# Altium PCB Copy of main_1301.PcbDoc (continued)
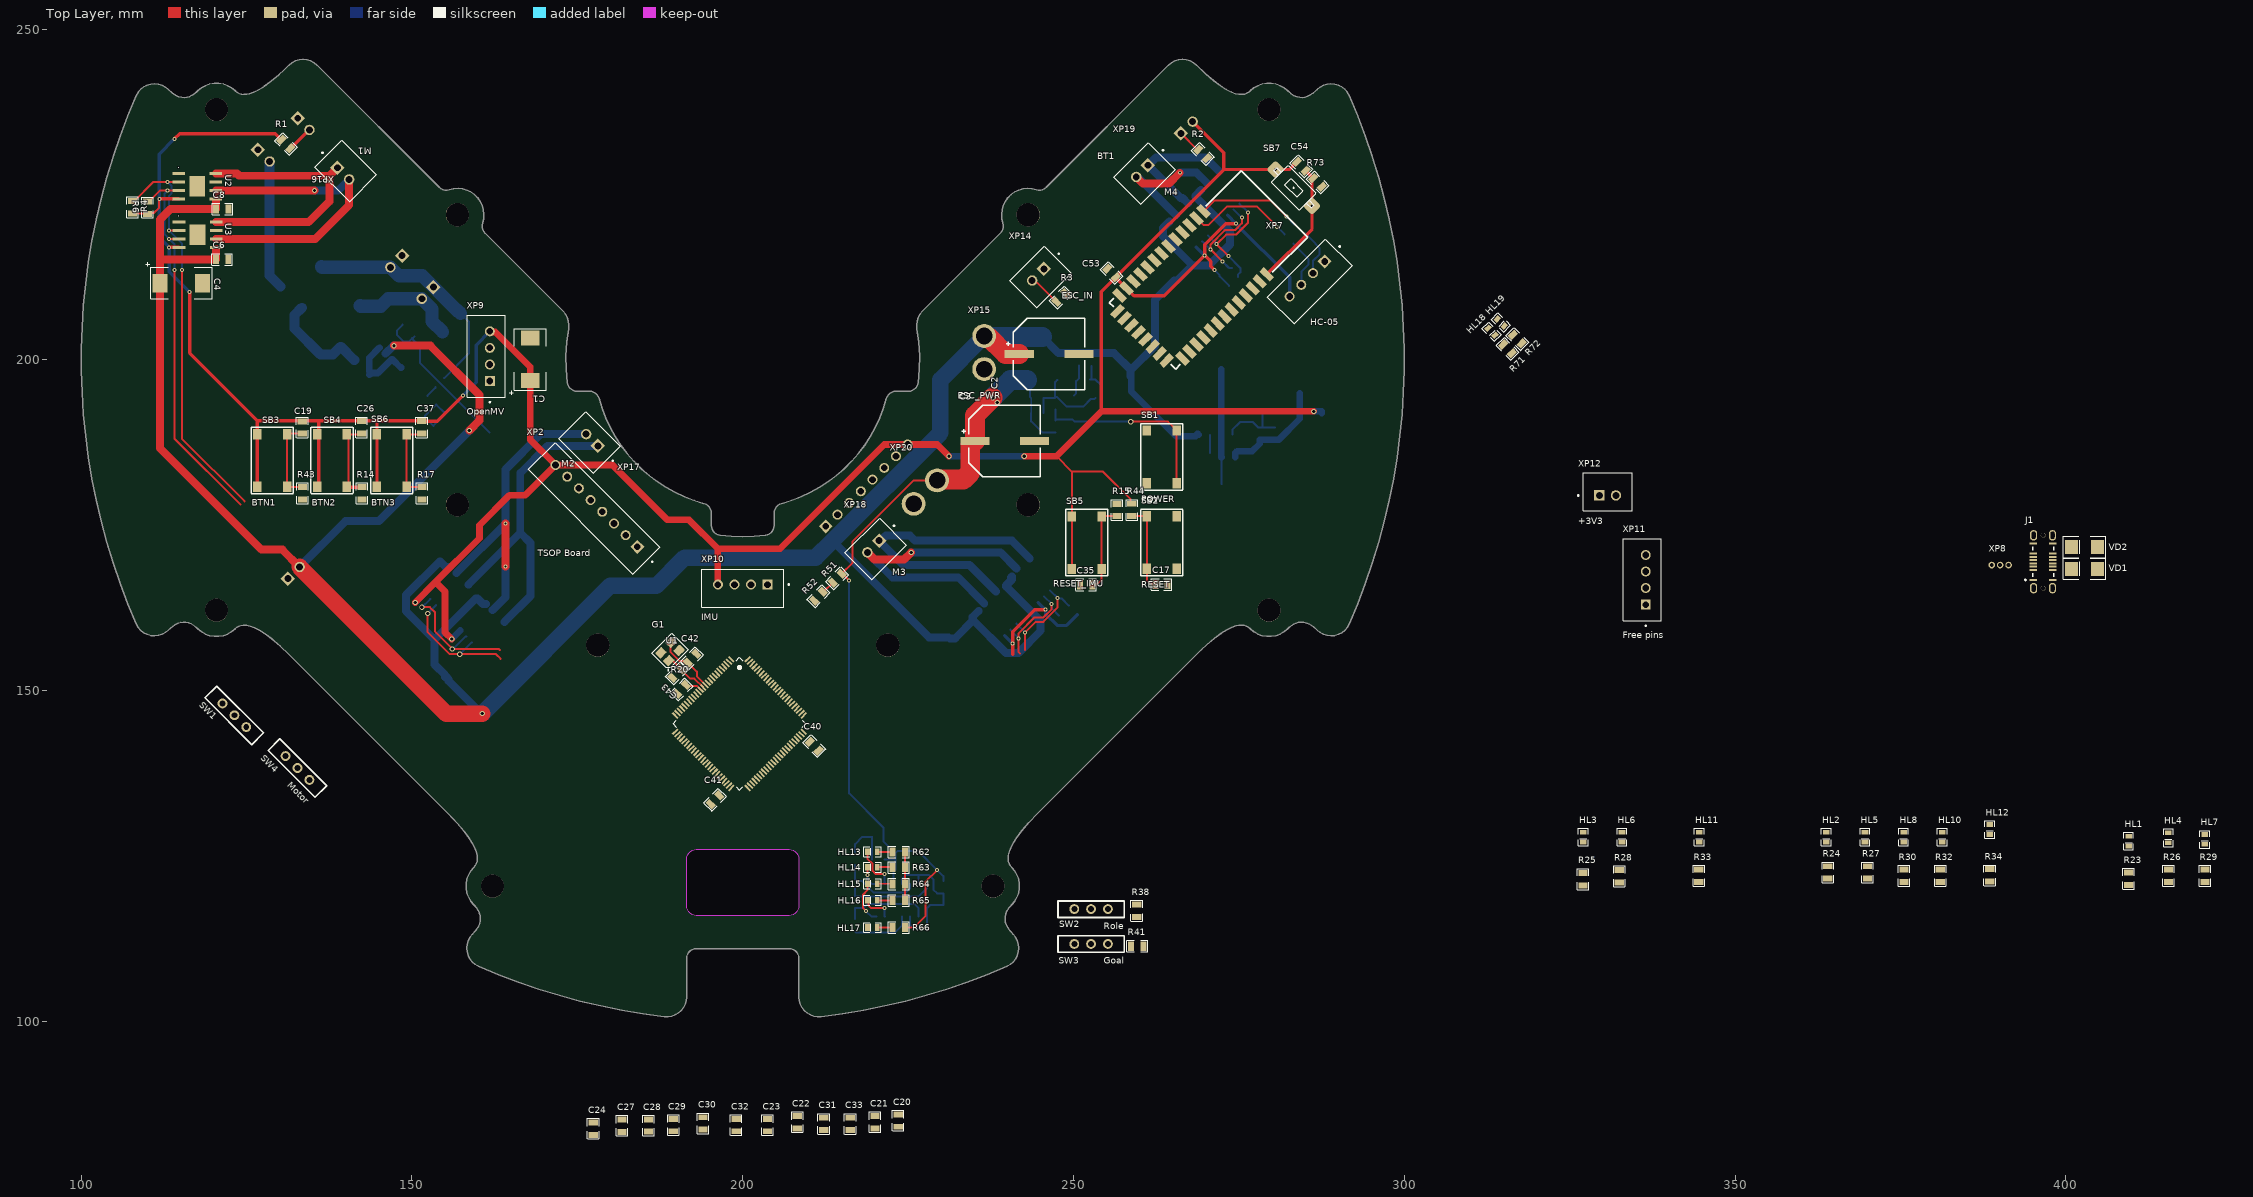
[diagram p0: Top Layer view]
## Footprints (in the part's own frame and the unit in brackets; to place one, negate y for a bottom-side part, rotate by r counter-clockwise, add the part's x,y. Pads: shape width x height; smd on the part's side, far side on the other; paste and mask are expansions set on the pad) (continued)
  rect 0.3x1.2 smd: 26(-6,-7.75) 27(-5.5,-7.75) 28(-5,-7.75) 29(-4.5,-7.75) 30(-4,-7.75) 31(-3.5,-7.75) 32(-3,-7.75) 33(-2.5,-7.75) 34(-2,-7.75) 35(-1.5,-7.75) 36(-1,-7.75) 37(-0.5,-7.75) 38(0,-7.75) 39(0.5,-7.75) 40(1,-7.75) 41(1.5,-7.75) 42(2,-7.75) 43(2.5,-7.75) 44(3,-7.75) 45(3.5,-7.75) 46(4,-7.75) 47(4.5,-7.75) 48(5,-7.75) 49(5.5,-7.75) 50(6,-7.75) 76(6,7.75) 77(5.5,7.75) 78(5,7.75) 79(4.5,7.75) 80(4,7.75) 81(3.5,7.75) 82(3,7.75) 83(2.5,7.75) 84(2,7.75) 85(1.5,7.75) 86(1,7.75) 87(0.5,7.75) 88(0,7.75) 89(-0.5,7.75) 90(-1,7.75) 91(-1.5,7.75) 92(-2,7.75) 93(-2.5,7.75) 94(-3,7.75) 95(-3.5,7.75) 96(-4,7.75) 97(-4.5,7.75) 98(-5,7.75) 99(-5.5,7.75) 100(-6,7.75)
  silkscreen extent -7.1,-7.1 7.1,7.1, body extent -8.03,-8 7.97,8, height 1.6
"PTS636 SP43 LFS" [mm]
  rrect50% 2x2 hole 0.5: 1(-3.9,0) 2(3.9,0)
  silkscreen extent -4,-1.8 4,1.8
RES0805 [mm] "SMD resistor 0805"
  rect 0.9x1.397 smd: 1(-0.938,-0.02) 2(0.942,-0.02)
  silkscreen extent -1.58,-0.9 1.58,0.85, body extent -1,-0.63 1,0.62, height 0.5
RES1206 [mm] "SMD resistor 1206"
  rect 1x1.77 smd: 1(-1.6,0) 2(1.6,0)
  silkscreen extent -2.28,-1.08 2.28,1.08, body extent -1.6,-0.8 1.6,0.8, height 0.55
SOD-80 [mm]
  rect 1.11x1.73 smd: A(1.67,0.022) K(-1.74,0.022)
  silkscreen extent -2.8,-1.09 2.47,1.14, body extent -1.79,-0.78 1.71,0.82, height 1.6
SOIC-8 [mm] "SOIC-8"
  rrect25% 1.97x0.6 smd: 1(-2.498,1.907) 2(-2.498,0.637) 3(-2.498,-0.633) 4(-2.498,-1.903) 5(2.442,-1.903) 6(2.442,-0.633) 7(2.442,0.637) 8(2.442,1.907)
  silkscreen extent -2.3,-2.7 2.3,3.3, body extent -2.95,-2.45 2.95,2.45, height 1.5
SOIC-14 [mm] "SOIC-14"
  rrect50% 1.97x0.6 smd: 1(-2.441,3.804) 2(-2.441,2.534) 3(-2.441,1.264) 4(-2.441,-0.006) 5(-2.441,-1.276) 6(-2.441,-2.546) 7(-2.441,-3.816) 8(2.509,-3.816) 9(2.509,-2.546) 10(2.509,-1.276) 11(2.509,-0.006) 12(2.509,1.264) 13(2.509,2.534) 14(2.509,3.804)
  silkscreen extent -2.2,-4.57 2.3,5.1, body extent -2.97,-4.33 3.03,4.32, height 1.75
SOT-23-3 [mm]
  rect 0.8x0.8 smd: D(0.967,0.043)
  rect 0.9x0.8 smd: G(-1.033,0.993) S(-1.033,-0.907)
  silkscreen extent -1.68,-1.51 1.57,2.14, body extent -1.18,-1.46 1.12,1.54, height 1.1
TO263-5L [mm] "XL4015"
  rect 1.05x2.5 smd: 1(-3.199,-6.264) 2(-1.499,-6.264) 3(0.201,-6.264) 4(1.901,-6.264) 5(3.601,-6.264)
  rect 10.9x9.1 smd: 3(0.201,3.636)
  body extent -4.88,-6.92 5.28,7.74, height 4.83
TSX-3225 [mm]
  round 0.508 on Mech15: 0(0,0)
  rrect25% 1.4x1.2 smd: 1(-1.1,-0.85) 2(1.1,-0.85) 3(1.1,0.85) 4(-1.1,0.85)
  silkscreen extent -2.26,-1.88 2.16,1.78, body extent -1.65,-1.3 1.65,1.3, height 0.8
USB-C [mm] "USB4145-04-0070-C"
  rect 0.3x1.15 smd: A1(-2.77,1.46) A4(-1.27,1.46) A5(-0.77,1.46) A6(-0.27,1.46) A7(0.23,1.46) A8(0.73,1.46) A9(1.23,1.46) A12(2.73,1.46) B1(2.73,-1.51) B4(1.23,-1.51) B5(0.73,-1.51) B6(0.23,-1.51) B7(-0.27,-1.51) B8(-0.77,-1.51) B9(-1.27,-1.51) B12(-2.77,-1.51)
  oval 1.6x1.1 hole 0.6 slot 1.1 at 0 deg: S1(-4.02,1.405) S2(3.98,1.405) S3(-4.02,-1.455) S4(3.98,-1.455)
  round 0.71 hole 0.71 unplated: ""(-4.02,-0.025) ""(3.98,-0.025)
  silkscreen extent -2.87,-1.61 2.26,2.73, body extent -4.5,-1.87 4.45,1.82, height 7.46
VLS3012HBX [mm]
  rrect50% 1x3.4 smd: 1(-1.05,0)
  rrect70% 1x3.4 smd: 2(1.05,0)
  silkscreen extent -1.72,-1.85 1.73,1.88, body extent -1.5,-1.52 1.47,1.52, height 1.2
XT30_3D [mm]
  round 3.6 hole 2.5 paste+6: 1(-2.5,0) 2(2.5,0)
  body extent -5.23,-2.58 5.23,2.67, height 13

## Part data
BT1: "Bluetooth HC-05", ComponentLink1Description=Chipdip, ComponentLink1URL=https://www.chipdip.ru/product0/8020390968
C1 C4 C5 C10 C11: library part "CAP Tantal", "Tantal SMD Cap"
C2 C36: library part "Cap Aluminum", "25V", ComponentLink1Description=Chipdip
  C2: ComponentLink1URL=https://www.chipdip.ru/product0/9000565743
  C36: ComponentLink1URL=https://www.chipdip.ru/product0/9000565748
C3: library part "Cap Aluminum", ComponentLink1Description=Chipdip, ComponentLink1URL=https://www.chipdip.ru/product0/9000565743
C6 C7 C8 C9 C12 C13 C14 C15 C17 C18 C19 C20 C21 C22 C23 C24 C25 C26 C27 C28 C29 C30 C31 C32 C33 C34 C35 C37 C38 C40 C41 C42 C43 C44 C45 C46 C52 C53 C54: library part "CAP Ceramic", "Ceramic SMD Cap"
C16: library part "Cap Aluminum", "50V", ComponentLink1Description=Chipdip, ComponentLink1URL=https://www.chipdip.ru/product0/9000565743
D1 D2: library part "Diode Zener", "Zener Diode / BZV55C8V2"
DA1: "Buck converter"
G1: library part "TSX-3225 24.0000MF15X-AC6", "24MHz ±10ppm Crystal 9pF 40 Ohms 4-SMD, No Lead", Digi-Key Part Number=SER4180CT-ND, HelpURL=https://www.digikey.com/en/products/detail/epson/TSX-3225-24-0000MF15X-AC6/5261221, Manufacturer Part Number="TSX-3225 24.0000MF15X-AC6", Part Number="TSX-3225 24.0000MF15X-AC6", Price$=0.33
HL1 HL2 HL3 HL4 HL5 HL6 HL7 HL8 HL10 HL11 HL12 HL13 HL14 HL15 HL16 HL17 HL18 HL19: library part LED, "LED smd"
J1: library part USB-C, "USB4145-04-0070-C"
L1: library part Inductor, "5A"
R1 R2 R3 R4 R5 R6 R7 R8 R9 R10 R11 R12 R13 R14 R15 R16 R17 R18 R19 R20 R21 R22 R23 R24 R25 R26 R27 R28 R29 R30 R32 R33 R34 R35 R36 R37 R38 R39 R40 R41 R42 R43 R44 R48 R49 R50 R51 R52 R53 R54 R55 R56 R57 R58 R59 R60 R61 R62 R63 R64 R65 R66 R67 R68 R69 R70 R71 R72 R73: library part RES, "RES smd"
SB1 SB2 SB3 SB4 SB5 SB6: library part Button
SB7: "TACT 6.0 X 3.5, 4.3 MM H, 320GF,", Digi-Key Part Number=CKN12304-ND, HelpURL=https://www.digikey.com/product-detail/en/c-k/PTS636-SP43-LFS/CKN12304-ND/10071717, Manufacturer Part Number="PTS636 SP43 LFS", Part Number="PTS636 SP43 LFS", Price$=0.1
SW1: "2 pos switch", ComponentLink1Description=Chipdip, ComponentLink1URL=https://www.chipdip.ru/product0/8007034319
SW2 SW3 SW4: library part ESP1010, "2 pos switch", ComponentLink1Description=Chipdip, ComponentLink1URL=https://www.chipdip.ru/product0/8007034319
U1: "ARM Cortex-M4 32-bit MCU+FPU, 210 DMIPS, 1024 kB Flash, 192 kB Internal RAM, 82 I/Os, 100-pin LQFP, -40 to 85 degC, Tray", I/Os (High Current)=82, Manufacturer=STMicroelectronics, Operating Frequency(F) (Processor speed) (MHz)=168, Supplier Part Number 1=497-11605-ND, Supply Voltage(Vcc) max (V)=3.6, Supply Voltage(Vcc) min (V)=1.8, ComponentLink1Description="Manufacturer URL", ComponentLink1URL=http://www.st.com/web/en/home.html, ComponentLink2Description=Datasheet, ComponentLink2URL=http://www.st.com/st-web-ui/static/active/en/resource/technical/document/datasheet/DM00037051.pdf, ComponentLink3Description="Package Specification", ComponentLink3URL=http://www.st.com/st-web-ui/static/active/en/resource/technical/document/data_brief/DM00071938.pdf, Core="ARM Cortex-M4", D/A Converter=2x12-bit, DatasheetVersion="Rev. 4", FLASH Size (Prog) (kB)=1024, Internal RAM Size (kB)=192, Mounting Technology="Surface Mount", PackageDescription="100-Pin Low Profile Quad Flat Package, 14 x 14 mm Body, 0.5 mm Pitch", PackageReference=LQFP100, PackageVersion="Rev. 1, 06/2013", Packing=Tray, PartNumber=STM32F407VGT6, Supplier 1=Digi-Key, Supplier 2=Farnell, Supplier 3=Newark, Supplier 4=Mouser, Supplier Part Number 2=2064368, Supplier Part Number 3=73T2333, Supplier Part Number 4=511-STM32F407VGT6
U2 U3 U4 U5 U6 U7 U8 U9: "DC motor driver 3.6A"
U10: library part LM139DR, "Quad differential comparator", ComponentLink1Description=Chipdip, ComponentLink1URL=https://www.chipdip.ru/product0/8013766664
VD1 VD2: "Protective diode"
VT1: "Mosfet driver"
VT2: "N-MOSFET / Uds = 60 V / Ids = 30 A / Rds = 0.023 Ohm / P = 55 W", ComponentLink1Description=Chipdip, ComponentLink1URL=https://www.chipdip.ru/product/std30nf06l-umw
VT3: "P-MOSFET / Uds = 60 V / Ids = 13 A / Rds = 0.100 Ohm / P = 60 W", ComponentLink1Description=Chipdip, ComponentLink1URL=https://www.chipdip.ru/product/tpstd10p6f6
VT4: "N-MOSFET / Uds = 20 V / Ids = 4.2 A / Rds = 0.035 Ohm / P = 8 W", ComponentLink1Description=Chipdip, ComponentLink1URL=https://www.chipdip.ru/product/irlml2502-umw
VT5: "P-MOSFET / Uds = 40 V / Ids = 40 A / Rds = 0.012 Ohm / P = 3.0 W", ComponentLink1Description=Chipdip, ComponentLink1URL=https://www.chipdip.ru/product/fdd6637-vbsemi
XP1 XP2: library part JST-XH-8, "JST_B8B-XH-A(LF)(SN)"
XP3 XP4 XP5 XP6 XP12 XP14 XP16 XP17 XP18 XP19 XP21 XP22: library part JST-XH-2, "JST_B2B-XH-A(LF)(SN)"
XP7 XP9 XP10 XP11: library part JST_XH-4, "JST_B4B-XH-A(LF)(SN)"
XP8: library part "Header 3"
XP15 XP20: library part "Power connectors"

## Free pads (board coordinates)
  round 3.5 hole 3.5: 1(120.45,162.17) 1(120.45,237.83) 1(156.866,178.08) 1(156.866,221.92) 1(162.17,120.45) 1(221.92,156.866) 1(237.83,120.45) 1(243.133,178.08) 1(243.133,221.92) 1(279.549,162.17) 1(279.549,237.83) 2(178.08,156.866)

## Via types
v1: diameter 0.6, hole 0.3, Top Layer to Bottom Layer, 37 vias
v2: diameter 0.8, hole 0.5, Top Layer to Bottom Layer, 18 vias

## Nets (pads, with @x,y where several pads share a name; then routed paths per layer and width w, separated by ;. In a path a pad name is that pad's centre, name@x,y a point inside that pad or via, vN(x,y) a via of type N, cw(c..) or ccw(c..) an arc to the next point about the centre after c; other vN are vias at no path point)
+3V3: BT1.12 C1.2 C19.1 C20.1 C21.1 C22.1 C23.1 C24.1 C26.1 C27.1 C28.1 C29.1 C30.1 C31.2 C32.1 C33.2 C35.1 C37.1 C53.2 C54.1 HL11.2 R1.2 R4.2 R5.2 R6.2 R7.2 R8.2 R9.2 R10.2 R11.2 R16.2 R20.1 R44.2 R62.2 R63.2 R64.2 R65.2 SB3.1 SB3.2 SB4.1 SB4.2 SB5.1 SB5.2 SB6.1 SB6.2 SB7.2 SW1.1 SW2.1 SW3.1 SW4.1 U1.6 U1.11 U1.19 U1.21 U1.22 U1.28 U1.50 U1.75 U1.100 U2.4 U3.4 U4.4 U5.4 U6.4 U7.4 U8.4 U9.4 XP1.8 XP2.8 XP5.2 XP7.4 XP9.4 XP10.4 XP12.2 | length 527.3
  Top Layer w0.3: R4.2 107.76,222.093 109.998,222.093 R6.2 110.14,222.192 110.992,222.192 111.781,222.981 111.781,224.281 v1(111.8,224.3) 111.827,224.3 v1@111.864,224.337 ; R65.2 R64.2 R63.2 R62.2 ; 247.431,185.431 249.75,183.113 ; SB5.1 SB5.2 249.75,183.113 ; R44.2 258.605,178.457 258.605,178.966 254.459,183.113 249.75,183.113
  Top Layer w0.5: v1@111.864,224.337 U2.4 ; v1(113.3,216.996) U3.4 ; v1(114.1,233.4) 114.893,234.193 129.364,234.193 R1.2 ; v1(116.4,210.222) 116.4,201.019 126.619,190.8 ; SB3.1 SB3.2 126.619,190.8 ; SB4.1@135.9,180.8 135.9,190.8 ; SB6.1 SB6.2 144.7,190.8 ; C37.1 153.829,190.729 v1(157.7,194.6) ; C37.1@151.488,190.8 144.7,190.8 ; 240.8,155.5 v1(240.8,157.1) 240.8,158.9 244.124,162.224 v1(245.776,162.224) ; 254.2,192.2 254.2,210.27 C53.2 ; XP5.2 272.688,231.33 272.688,228.758 ; v1(271.281,213.589) 270.728,214.141 270.728,214.866 v1(269.813,215.781) ; v1(274.546,220.577) 273.01,220.577 269.832,217.399 269.832,215.801 v1(269.813,215.781) ; C54.1 282.609,228.758 SB7.2 272.688,228.758 ; 126.619,190.8 135.9,190.8 ; 135.9,190.8 144.7,190.8 ; C53.2 272.688,228.758 ; C53.2 256.415,212.435 258,210.85 BT1.12 259.131,209.669 263.7,209.669 v1(269.813,215.781)
  Top Layer w1: v2(150.493,163.322) 153.576,166.405 ; v2(156.006,157.783) 155,158.789 155,164.981 153.576,166.405 ; XP9.4 161.868,204.203 162.597,204.203 167.861,198.939 167.861,196.874 167.861,187.939 171.445,184.355 XP2.8 ; XP10.4@196.242,166.033 196.242,171.444 ; v2(231.168,185.431) 229.4,187.199 XP1.8 221.399,187.199 205.644,171.444 196.242,171.444 ; v2(242.556,185.431) 247.431,185.431 254.2,192.2 v2(286.3,192.2) ; 153.576,166.405 160.2,173.029 160.2,175 164.754,179.554 167.147,179.554 XP2.8 ; XP2.8 180.315,184.103 188.62,175.798 191.889,175.798 196.242,171.444
  Bottom Layer w0.3: U8.4 U8.4@268.562,217.011 ; v1@269.791,215.781 v1(269.813,215.781) ; v1(271.281,213.589) 272.103,212.766 R11.2 273.514,211.213 R9.2
  Bottom Layer w0.5: v1@113.3,216.969 113.3,213.322 v1(116.4,210.222) ; v1(113.3,216.996) 111.8,218.496 v1(111.8,224.3) 111.8,231.1 v1(114.1,233.4) ; v1(157.7,194.6) 159.699,196.599 159.699,202.228 XP9.4 ; U6.4 239.576,158.314 240.791,157.1 v1(240.8,157.1) ; U7.4 244.671,163.311 245.758,162.224 v1(245.776,162.224) 245.795,162.205 245.795,161.565 247.513,159.847 248.944,159.847 R10.2 R10.2 R8.2 R8.2 ; U8.4@268.562,217.011 v1@269.791,215.781 ; U9.4 273.278,221.835 274.536,220.577 v1(274.546,220.577) 282.664,212.459 XP7.4
  Bottom Layer w1: v2(150.493,163.322) U4.4@151.867,164.697 ; v2(156.006,157.783) 157.309,159.086 U5.4 ; v2(231.168,185.431) v2(242.556,185.431) ; v2(286.3,192.2) 287.5,192.2 R16.2
+12V: C2.1 C4.2 C5.2 C6.2 C7.2 C8.2 C9.2 C10.2 C11.2 C12.2 C13.2 C14.2 C15.2 C16.1 C18.2 C25.2 C46.2 DA1.5 HL6.2 R40.2 U2.5 U3.5 U4.5 U5.5 U6.5 U7.5 U8.5 U9.5 VT1.6 VT5.D XP15.2 XP21.2 | length 473.2
  Top Layer w1.2: 120.378,216.771 120.378,215.197 C6.2 120.363,215.194 111.92,215.194 ; U2.5@120.378,224.243 120.378,222.814 C8.2 113.499,222.787 111.92,221.208 111.92,215.194 ; XP21.2 130.397,171.3 127.255,171.3 111.92,186.635 C4.2 111.92,215.194 ; v2(147.289,202.131) 152.769,202.131 160.2,194.7 160.2,190.847 v2(158.678,189.325)
  Top Layer w2.5: XP21.2 155.166,146.531 v2(160.636,146.531)
  Top Layer w3: XP15.2 236.615,203.485 237.115,203.485 239.7,200.9 C2.1
  Bottom Layer w0.3: C5.2 C5.2@155.223,152.044
  Bottom Layer w1: C16.1 258.7,197.42 258.7,195.26 265.506,188.454 C18.2 ; C18.2@267.081,188.454 DA1.5@268.439,188.454 ; DA1.5@268.747,188.839 DA1.5
  Bottom Layer w1.2: XP21.2 139.976,175.647 145,175.647 v2(158.678,189.325) ; VT1.6 147.188,202.131 v2(147.289,202.131) ; C5.2 155.018,152.344 153.419,153.943 153.419,157.684 ; C5.2@155.223,152.044 155.551,151.717 155.551,151.449 160.469,146.531 v2(160.636,146.531) ; U4.5@155.7,168.71 155.052,168.71 C7.2 149.1,164.429 149.1,162.003 153.419,157.684 ; U5.5@161.2,163.1 160.728,163.1 159.908,163.92 159.867,163.92 159.831,163.956 159.691,163.956 C9.2 153.419,157.684 ; 213.565,172.651 228.162,158.053 231.129,158.053 231.308,157.874 232.076,157.874 C10.2 234.777,160.575 C12.2@234.777,160.714 ; U6.5@235.671,162.062 234.754,161.145 234.754,160.95 234.718,160.913 234.718,160.774 C12.2 C12.2@234.777,160.714 ; U7.5 240.534,167.112 240.693,166.953 240.693,166.797 239.799,165.904 239.799,165.765 C14.2 245.038,160.526 245.038,159.06 241.678,155.7 239.792,155.7 C12.2@234.777,160.714 ; VT5.D 247.748,201.004 C46.2@252.755,201.004 ; C46.2@252.853,201.004 256.115,201.004 C16.1@258.6,198.52 ; C16.1 C16.1@258.6,198.52 ; C13.2 263.527,219.923 U8.5@264.512,220.908 ; C13.2@263.557,219.747 263.557,218.664 267.938,214.283 ; C15.2@268.405,224.784 U9.5@269.283,225.661 ; C15.2 268.442,224.658 273.653,219.446 273.653,217.446 270.49,214.283 267.938,214.283 ; C16.1@258.6,198.52 258.733,198.52 262.305,202.092 262.305,209.073 C11.2 265.685,212.03 267.938,214.283
  Bottom Layer w2.5: v2(160.636,146.531) 179.944,165.84 186.94,165.84 191.2,170.1 211.013,170.1 213.565,172.651 229.868,188.954 229.868,196.968 XP15.2
  Bottom Layer w3: XP15.2 236.662,203.6 236.794,203.469 VT5.D
+48V: HL3.2 VT3.S XP22.2 | length 19.5
  Bottom Layer w1.5: XP22.2 128.487,212.729 VT3.S
BALL_SEN: R2.2 U1.26 XP5.1 | length 3.6
  Top Layer w0.3: XP5.1 268.702,231.781 R2.2
BG_LED: HL2.2 U1.41
BT_RESET: BT1.34@279.213,212.921 C54.2 R73.2 SB7.1 U1.80 | length 19.1
  Top Layer w0.5: BT1.34@279.213,212.921 286.058,219.766 SB7.1 286.037,223.263 286.037,227.305 R73.2 286.203,227.481 285.087,228.597 C54.2
BT_RX: R67.2 R70.2 U1.78 XP7.3 | length 7.7
  Bottom Layer w0.3: R70.2 283.231,217.549 R67.2@284.869,215.91 ; XP7.3 284.432,213.304 285.547,214.419 285.547,215.232 R67.2@284.869,215.91 ; R67.2 R67.2@284.869,215.91
BT_TX: R68.2 R69.2 U1.79 XP7.2 | length 7.6
  Bottom Layer w0.3: R69.2 285.073,219.088 R68.2 286.566,217.517 287.215,216.868 287.215,215.969 286.2,214.954 XP7.2
BTN1: C19.2 R43.2 SB3.3 SB3.4 U1.82 | length 12.6
  Top Layer w0.3: C19.2 131.222,188.846 SB3.4 SB3.3 131.14,180.772 R43.2
BTN2: C26.2 R14.2 SB4.3 SB4.4 U1.83 | length 12.5
  Top Layer w0.3: SB4.4 SB4.4@140.4,188.743 ; SB4.3@140.4,180.8 SB4.4@140.4,188.743 ; SB4.4@140.4,188.75 SB4.4@140.4,188.743 ; C26.2 142.28,188.743 SB4.4@140.4,188.743
  Top Layer w0.5: SB4.3 140.198,180.754 R14.2
BTN3: C37.2 R17.2 SB6.3 SB6.4 U1.84 | length 12.6
  Top Layer w0.3: SB6.3 149.221,180.772 R17.2 ; SB6.3@149.2,180.8 SB6.4 151.362,188.743 C37.2
CAP: R48.2 VD5.K VT3.D XP4.2 XP6.1 | length 35.8
  Bottom Layer w0.3: R48.2 158.616,200.979 158.616,205.728 VD5.K
  Bottom Layer w2: VT3.D 136.414,213.995 146.72,213.995 148.019,212.696 151.554,212.696 156.833,207.417 156.927,207.417 VD5.K@157.342,207.003
CAP_ADC: R53.1
ESC_IN: R3.2 U1.25 XP14.2 | length 5
  Top Layer w0.3: XP14.2 244.09,211.987 244.447,211.63 244.538,211.63 R3.2
FP1: XP11.4
FP2: XP11.3
FP3: XP11.2
FP4: XP11.1
GK_LED: HL10.2 U1.39
GND: BT1.13 BT1.21 BT1.22 C1.1 C2.2 C3.2 C4.1 C5.1 C6.1 C7.1 C8.1 C9.1 C10.1 C11.1 C12.1 C13.1 C14.1 C15.1 C16.2 C17.1 C18.1 C20.2 C21.2 C22.2 C23.2 C24.2 C27.2 C28.2 C29.2 C30.2 C31.1 C32.2 C33.1 C34.1 C36.2 C40.1 C41.1 C42.2 C43.2 C52.1 C53.1 D1.A D2.A DA1.1 G1.2 G1.4 HL17.1 J1.A1 J1.A12 J1.B1 J1.B12 J1.S1 J1.S2 J1.S3 J1.S4 pad.2 R2.1 R3.1 R13.1 R14.1 R15.1 R17.1 R18.1 R19.1 R22.2 R23.1 R24.1 R25.1 R26.1 R27.1 R28.1 R29.1 R30.1 R32.1 R33.1 R34.1 R35.1 R38.1 R41.1 R42.1 R43.1 R50.1 R52.1 R59.1 R61.1 R67.1 R68.1 R71.1 R72.1 R73.1 SB1.1 SB1.2 SB2.1 SB2.2 SW1.3 SW2.3 SW3.3 SW4.3 U1.10 U1.20 U1.27 U1.74 U1.99 U2.1 U2.7 U2.9 U3.1 U3.7 U3.9 U4.1 U4.7 U4.9 U5.1 U5.7 U5.9 U6.1 U6.7 U6.9 U7.1 U7.7 U7.9 U8.1 U8.7 U8.9 U9.1 U9.7 U9.9 U10.12 VD1.A VD2.A VD3.A VT1.1 VT1.3 VT1.8 VT2.S VT4.S XP1.1 XP2.1 XP3.1 XP4.1 XP7.1 XP8.2 XP9.1 XP10.1 XP12.1 XP14.1 XP15.1 XP20.1 XP21.1 XP22.1
GOAL_SW: R41.2 SW3.2 U1.93
IMU_RX: U1.47 XP10.2
IMU_TX: U1.48 XP10.3
KICK_IN: R18.2 U1.24 VT1.2 VT1.4 | length 24.6
  Bottom Layer w0.3: VT1.2 148.601,205.283 147.754,204.436 147.754,203.745 148.748,202.751 149.494,202.751 150.027,203.283 VT1.4@150.137,203.283 ; VT1.4 VT1.4@150.137,203.283 ; 161.75,189 151.202,199.548 151.202,201.655 R18.2 150.137,203.071 VT1.4@150.137,203.283
LB_IN1: U1.33 XP1.2
LB_IN2: U1.34 XP1.3
LB_IN3: U1.63 XP1.4
LB_IN4: U1.64 XP1.5
LB_OUT1: U1.35 XP1.6
LB_OUT2: U1.36 XP1.7
LED1: HL1.2 U1.43
LED2: HL4.2 U1.44
LED3: HL7.2 U1.45
M1_IN1: R4.1 U1.4 U2.2 U3.2 | length 63.1
  Top Layer w0.3: R4.1 107.988,223.994 110.871,226.877 v1(113.063,226.877) U2.2 ; v1(113.3,219.515) 113.32,219.536 U3.2 ; v1(115.2,213.6) 115.2,188.1 124.7,178.6
  Bottom Layer w0.3: v1(113.063,226.877) 113.663,226.277 113.663,225.163 113.3,224.8 v1(113.3,219.515) 115.2,217.615 v1(115.2,213.6)
M1_IN2: R6.1 U1.5 U2.3 U3.3 | length 59.4
  Top Layer w0.3: R6.1 110.268,223.952 111.923,225.607 v1(113.063,225.607) U2.3 ; v1(113.3,218.266) U3.3 ; v1(114.1,213.6) 114.1,188.1 124.1,178.1
  Bottom Layer w0.3: v1(113.063,225.607) 112.6,225.144 112.6,218.966 v1(113.3,218.266) 114.1,217.466 v1(114.1,213.6)
M1_OUT1: U2.6 U3.6 XP16.2 | length 47
  Top Layer w1.2: U2.6 v2(135.271,225.607) ; U3.6 135.374,218.266 140.5,223.392 XP16.2
  Bottom Layer w1.2: v2(135.271,225.607) 138.838,225.607 XP16.2
M1_OUT2: U2.8 U3.8 XP16.1 | length 41.3
  Top Layer w1.2: U2.8 123.536,228.147 123.856,227.826 137.521,227.826 ; U3.8 134.374,220.806 137.521,223.953 137.521,227.826 ; XP16.1 137.521,227.826
M2_IN1: R5.1 U1.31 U4.2 U5.2 | length 20
  Top Layer w0.3: v2(152.38,161.644) 152.38,158.82 155.7,155.5 v2(157.2,155.5) 162.7,155.5 163.4,154.8
  Bottom Layer w0.3: v2(152.38,161.644) 152.38,161.653 U4.2 ; v2(157.2,155.5) 157.253,155.5 159.052,157.299 U5.2
M2_IN2: R7.1 U1.32 U4.3 U5.3 | length 20.9
  Top Layer w0.3: v2(151.5,162.6) 152.7,162.6 153.5,161.8 153.5,158.9 v2(156.1,156.3) 163.1,156.3 163.3,156.1
  Bottom Layer w0.3: v2(151.5,162.6) 151.515,162.6 152.75,163.835 U4.3 ; v2(156.1,156.3) 156.205,156.3 158.102,158.197 U5.3
M2_OUT1: U4.6 U5.6 XP17.2 | length 47
  Top Layer w1.2: v1(164.122,168.734) v1(164.122,175.264)
  Bottom Layer w1.2: U4.6 164.122,175.191 164.122,183.422 169.468,188.768 XP17.2 ; U5.6 164.122,164.112 v1(164.122,168.734)
M2_OUT2: U4.8 U5.8 XP17.1 | length 49.3
  Bottom Layer w1.2: U4.8 166.367,173.845 ; U5.8 167.9,164.298 167.9,172.312 166.367,173.845 ; XP17.1 170.5,187 166.367,182.867 166.367,173.845
M3_IN1: R8.1 U1.53 U6.2 U7.2 | length 16.2
  Top Layer w0.3: 242.7,156.1 v1(242.7,158.8) 244.3,160.4 245.436,160.4 247.6,162.564 v1(247.6,164)
  Bottom Layer w0.3: U6.2 241.376,160.111 242.687,158.8 v1(242.7,158.8) ; U7.2 246.471,165.107 247.578,164 v1(247.6,164) 247.657,163.943 248.182,163.943 R8.1
M3_IN2: R10.1 U1.54 U6.3 U7.3 | length 16
  Top Layer w0.3: 241.896,155.629 241.7,155.825 v1(241.7,157.9) 241.701,157.901 241.701,158.65 244.097,161.046 245.446,161.046 246.7,162.3 v1(246.7,163.1)
  Bottom Layer w0.3: U6.3 240.465,159.174 241.7,157.939 v1(241.7,157.9) ; U7.3 245.571,164.209 246.68,163.1 v1(246.7,163.1) 246.757,163.043 246.757,162.385 R10.1
M3_OUT1: U6.6 U7.6 XP18.2 | length 45.3
  Top Layer w1.2: XP18.2 219.932,169.8 224.371,169.8 v2(225.458,170.887)
  Bottom Layer w1.2: XP18.2 222.615,167.118 232.56,167.118 U6.6 ; v2(225.458,170.887) 238.986,170.887 U7.6@241.4,168.473
M3_OUT2: U6.8 U7.8 XP18.1 | length 45.4
  Bottom Layer w1.2: U6.8 234.27,169 224.268,169 XP18.1 220.878,172.655 221.665,173.443 225.257,173.443 226.045,172.655 240.697,172.655 U7.8
M4_IN1: R9.1 U1.61 U8.2 U9.2 | length 18
  Top Layer w0.3: v1(273.393,215.701) v1(271.613,217.481) 273.063,218.932 274.562,218.932 276.385,220.755 v1(276.385,222.285)
  Bottom Layer w0.3: U8.2 270.337,218.782 271.613,217.506 v1(271.613,217.481) ; v1(273.393,215.701) 275.212,213.882 275.212,213.219 274.843,212.85 R9.1 ; U9.2 275.064,223.619 276.385,222.298 v1(276.385,222.285)
M4_IN2: R11.1 U1.62 U8.3 U9.3 | length 15.6
  Top Layer w0.3: v1(272.537,214.845) 272.537,214.851 270.713,216.676 v1(270.713,216.681) v1(270.713,216.681) 270.714,217.431 272.872,219.589 274.407,219.589 275.449,220.631 v1(275.449,221.484)
  Bottom Layer w0.3: U8.3 269.462,217.909 270.69,216.681 v1(270.713,216.681) ; v1(272.537,214.845) 273.43,213.953 R11.1 273.5,213.886 R11.1@273.924,213.886 ; U9.3 275.416,221.484 v1(275.449,221.484)
M4_OUT1: U8.6 U9.6 XP19.2 | length 20.9
  Top Layer w1.2: XP19.2 260.478,226.646 264.428,226.646 v1(266.061,228.279)
  Bottom Layer w1.2: XP19.2 259.553,227.57 259.778,227.57 U8.6 ; v1(266.061,228.279) 266.073,228.291 268.608,228.291 U9.6
M4_OUT2: U8.8 U9.8 XP19.1 | length 20.5
  Bottom Layer w1.2: U8.8 266.478,224.462 266.196,224.462 XP19.1 261.275,229.409 262.466,230.6 269.891,230.6 U9.8
MTR_ON: HL12.2 R42.2 SW4.2 U1.81
MV_RX: U1.86 XP9.3
MV_TX: U1.87 XP9.2
NetBT1_1: BT1.1 R69.1 | length 15.9
  Top Layer w0.3: BT1.1 271.253,224.053 279.809,224.053 v1(282.219,221.643)
  Bottom Layer w0.3: v1(282.219,221.643) 283.405,220.457 R69.1
NetBT1_2: BT1.2 R70.1 | length 16.7
  Top Layer w0.3: BT1.2 269.612,220.401 270.43,220.401 273.212,223.184 277.694,223.184 v1(280.787,220.091)
  Bottom Layer w0.3: v1(280.787,220.091) 281.901,218.976 R70.1
NetBT1_3: BT1.3
NetBT1_4: BT1.4
NetBT1_5: BT1.5
NetBT1_6: BT1.6
NetBT1_7: BT1.7
NetBT1_8: BT1.8
NetBT1_9: BT1.9
NetBT1_10: BT1.10
NetBT1_11: BT1.11
NetBT1_14: BT1.14
NetBT1_15: BT1.15
NetBT1_16: BT1.16
NetBT1_17: BT1.17
NetBT1_18: BT1.18
NetBT1_19: BT1.19
NetBT1_20: BT1.20
NetBT1_23: BT1.23
NetBT1_24: BT1.24
NetBT1_25: BT1.25
NetBT1_26: BT1.26
NetBT1_27: BT1.27
NetBT1_28: BT1.28
NetBT1_29: BT1.29
NetBT1_30: BT1.30
NetBT1_31: BT1.31 HL18.2
NetBT1_32: BT1.32 HL19.2
NetBT1_33: BT1.33@278.153,211.861
NetC25_1: C25.1 DA1.4 | length 2.8
  Bottom Layer w0.3: DA1.4 270.667,188.619 C25.1
NetC34_2: C34.2 C36.1 C38.2 L1.2 R12.2 R16.1 | length 16.7
  Bottom Layer w1: L1.2 274.477,185.944 274.727,186.194 277.031,186.194 278.147,187.309 C38.2 280.378,187.908 R12.2@280.449,187.908 ; R12.2 281.002,187.897 284.2,191.095 C36.1
NetC38_1: C38.1 DA1.2 R12.1 R13.2 | length 10.5
  Bottom Layer w0.3: DA1.2 274.014,189.397 275.218,190.6 277.066,190.6 277.898,189.768 C38.1@278.395,189.768 ; R13.2 278.6,191.84 278.6,189.973 C38.1@278.395,189.768 ; R12.1 280.452,189.768 C38.1@278.395,189.768
NetC40_2: C40.2 U1.73
NetC41_2: C41.2 U1.49
NetC42_1: C42.1 G1.3 U1.12 | length 9.2
  Top Layer w0.3: G1.3 189.105,157.209 189.105,155.816 190.434,154.487 191.005,154.487 191.258,154.233 C42.1 193.063,152.853 193.063,152.144 U1.12
NetC43_1: C43.1 G1.1 U1.13 | length 6.5
  Top Layer w0.3: G1.1 189.42,154.522 C43.1 ; C43.1@190.946,152.923 192.056,151.813 192.687,151.813 U1.13
NetC44_1: C44.1 C45.1 R37.2 VT4.D VT5.G | length 16
  Bottom Layer w0.3: R37.2@245.471,191.95 C45.1 ; C45.1@245.471,194.256 247.196,194.256 C44.1 ; VT4.D 253.153,194.077 252.619,194.077 251.478,192.936 248.945,192.936 247.535,194.346 C44.1 ; VT5.G@247.225,196.62 VT5.G ; VT5.G@247.225,196.62 VT5.G ; VT5.G@247.225,196.62 247.225,194.408 C44.1 ; VT5.G@247.225,196.62 VT5.G ; VT5.G@247.225,196.62 VT5.G ; VT5.G@247.225,196.62 VT5.G
NetC44_2: C44.2 R36.2 SB1.3 SB1.4 VD6.K | length 28.7
  Top Layer w0.3: v2(258.636,190.65) 264.25,190.65 264.975,189.925 265.1,189.925 265.6,189.425 SB1.4 SB1.3
  Bottom Layer w0.3: C44.2@247.272,192.486 R36.2 247.355,190.942 249.883,190.942 250.176,190.65 v2(258.636,190.65)
NetC46_1: C46.1 R39.2 VT4.G | length 8.1
  Bottom Layer w0.3: R39.2 R39.2@252.743,197.02 ; C46.1 252.749,199.09 252.749,197.026 R39.2@252.743,197.02 ; VT4.G 254.243,196.104 253.327,197.02 R39.2@252.743,197.02
NetD1_K: D1.K R49.1 R50.2 R53.2 | length 9
  Bottom Layer w0.3: D1.K D1.K@151.947,191.506 ; R53.2 R53.2@153.232,190.006 ; D1.K@151.947,191.506 151.947,191.253 151.992,191.253 153.232,190.014 R53.2@153.232,190.006 ; D1.K@151.947,191.506 R49.1 153.698,193.215 154.992,191.921 R50.2 R53.2@153.232,190.006
NetD2_K: D2.K R54.1 R55.2 | length 7.7
  Bottom Layer w0.3: R55.2 217.005,126.805 218.078,127.878 D2.K 219.562,127.876 R54.1
NetDA1_3: DA1.3 L1.1 VD3.K | length 17.4
  Bottom Layer w0.3: VD3.K L1.1
  Bottom Layer w1: DA1.3@272.314,198.572 272.314,188.672 272.314,185.306 L1.1
NetHL1_1: HL1.1 R23.2
NetHL2_1: HL2.1 R24.2
NetHL3_1: HL3.1 R25.2
NetHL4_1: HL4.1 R26.2
NetHL5_1: HL5.1 R27.2
NetHL6_1: HL6.1 R28.2
NetHL7_1: HL7.1 R29.2
NetHL8_1: HL8.1 R30.2
NetHL10_1: HL10.1 R32.2
NetHL11_1: HL11.1 R33.2
NetHL12_1: HL12.1 R34.2
NetHL13_1: HL13.1 U10.2 | length 6.8
  Top Layer w0.3: HL13.1 218.85,124.574 219.625,123.799 219.625,122.751 219.875,122.501 219.875,122.499 220.124,122.25 v1(221.45,122.25)
  Bottom Layer w0.3: v1(221.45,122.25) 221.45,121.077 221.5,121.027 221.375,120.902 U10.2
NetHL13_2: HL13.2 R62.1 | length 2.3
  Top Layer w0.3: HL13.2 222.642,125.634 R62.1
NetHL14_1: HL14.1 U10.1 | length 3.5
  Top Layer w0.3: v1(218.85,122.15) HL14.1
  Bottom Layer w0.3: v1(218.85,122.15) 218.85,121.452 219.526,120.776 U10.1
NetHL14_2: HL14.2 R63.1 | length 2.3
  Top Layer w0.3: HL14.2 222.642,123.3 R63.1
NetHL15_1: HL15.1 U10.14 | length 6.5
  Top Layer w0.3: v1(218.625,116.675) 218.2,117.1 218.2,119.175 218.85,119.825 HL15.1
  Bottom Layer w0.3: v1(218.625,116.675) 219.474,115.826 U10.14
NetHL15_2: HL15.2 R64.1 | length 2.3
  Top Layer w0.3: HL15.2 222.642,120.8 R64.1
NetHL16_1: HL16.1 U10.13 | length 4.8
  Top Layer w0.3: HL16.1 218.993,118.157 218.993,117.556 219.382,117.166 v1(221.4,117.166)
  Bottom Layer w0.3: v1(221.4,117.166) 221.4,115.927 U10.13
NetHL16_2: HL16.2 R65.1 | length 2.3
  Top Layer w0.3: HL16.2 222.642,118.3 R65.1
NetHL17_2: HL17.2 R66.1 | length 2.3
  Top Layer w0.3: HL17.2 R66.1
NetHL18_1: HL18.1 R71.2
NetHL19_1: HL19.1 R72.2
NetJ1_A4: J1.A4
NetJ1_A5: J1.A5
NetJ1_A8: J1.A8
NetJ1_A9: J1.A9
NetJ1_B4: J1.B4
NetJ1_B5: J1.B5
NetJ1_B8: J1.B8
NetJ1_B9: J1.B9
NetR1_1: R1.1 XP3.2 | length 4.1
  Top Layer w0.5: R1.1 131.654,231.952 134.451,234.75 XP3.2
NetR19_2: R19.2 U1.94
NetR21_1: R21.1 R22.1 VT1.5 VT1.7 | length 10.9
  Bottom Layer w1: R21.1 R21.1@143.842,197.999 ; VT1.7 143.569,200.308 143.569,198.271 R21.1@143.842,197.999 ; R22.1 148.365,198.811 148.294,198.811 147.054,200.051 VT1.5 144.853,197.999 R21.1@143.842,197.999
NetR21_2: R21.2 VT2.G VT3.G | length 15.6
  Bottom Layer w1.5: VT3.G 132.259,206.779 132.259,204.714 136.144,200.829 138.054,200.829 VT2.G 139.26,201.974 141.244,199.99 R21.2
NetR39_1: R39.1 R40.1 VD6.A | length 4.8
  Bottom Layer w0.3: VD6.A 250.392,194.917 250.392,196.772 250.863,197.243 250.863,199.104 R40.1
NetR48_1: R48.1 R49.2 | length 1.8
  Bottom Layer w0.3: R49.2 153.531,195.749 R48.1
NetR55_1: R55.1 R56.2 U10.5 | length 12.3
  Bottom Layer w0.3: R55.1 R56.2 217.005,121.445 217.228,121.222 218.003,121.222 219.734,119.491 224.716,119.491 225.311,120.086 U10.5
NetR56_1: R56.1 R57.2 U10.7 | length 13.5
  Bottom Layer w0.3: R56.1 R57.2 226.541,118.841 227.851,120.151 U10.7
NetR57_1: R57.1 R58.2 U10.9 | length 13.1
  Bottom Layer w0.3: R58.2 216.984,116.941 R57.1 217.005,117.111 218.212,117.111 218.868,117.766 225.909,117.766 226.581,117.094 U10.9
NetR58_1: R58.1 R59.2 U10.11 | length 8.9
  Bottom Layer w0.3: R58.1 217.104,113.442 R59.2 223.042,113.442 224.041,114.441 U10.11
NetR60_1: R60.1 R61.2 U10.4 U10.6 U10.8 U10.10 | length 21.9
  Bottom Layer w0.3: U10.4 224.041,121.461 224.73,122.15 226.581,122.15 ; U10.10 225.311,114.58 225.816,114.075 227.4,114.075 227.851,114.526 U10.8 227.851,117.109 228.306,117.564 R61.2 R60.1 229.383,119.342 228.8,119.925 228.8,121.449 228.099,122.15 226.581,122.15 ; U10.6 226.581,122.15
NetU1_1: U1.1
NetU1_2: U1.2
NetU1_3: U1.3
NetU1_7: U1.7
NetU1_8: U1.8
NetU1_9: U1.9
NetU1_23: U1.23
NetU1_37: U1.37
NetU1_38: U1.38
NetU1_46: U1.46
NetU1_51: U1.51
NetU1_52: U1.52
NetU1_55: U1.55
NetU1_56: U1.56
NetU1_57: U1.57
NetU1_58: U1.58
NetU1_59: U1.59
NetU1_60: U1.60
NetU1_65: U1.65
NetU1_66: U1.66
NetU1_67: U1.67
NetU1_68: U1.68
NetU1_69: U1.69
NetU1_70: U1.70
NetU1_71: U1.71
NetU1_77: U1.77
NetU1_85: U1.85
NetU1_88: U1.88
NetU1_89: U1.89
NetU1_90: U1.90
NetU1_92: U1.92
NetU1_97: U1.97
NetU1_98: U1.98
RESET_BTN: C17.2 R20.2 R44.1 SB2.3 SB2.4 U1.14 | length 16
  Top Layer w0.3: R20.2 191.588,150.673 193.119,150.673 U1.14 ; R44.1 261.088,176.362 SB2.3 SB2.4 261.1,166.705 261.645,166.16 262.258,166.16 C17.2
RESET_IMU: C35.2 R15.2 SB5.3 SB5.4 U1.91 | length 13.6
  Top Layer w0.3: C35.2 252.88,166.055 253.555,166.055 254.25,166.75 SB5.4 254.278,176.358 R15.2
ROLE_SW: R38.2 SW2.2 U1.95
SOL2: VD5.A VT2.D XP6.2 | length 16.1
  Bottom Layer w2: VT2.D 142.263,208.101 145.269,208.101 146.4,209.232 XP6.2 153.025,207.689 153.025,205.804 VD5.A
ST_LED: HL8.2 U1.40
SW1: R35.2 SW1.2 U1.96
SWCLK: J1.A7 J1.B7 U1.76 VD1.K XP8.3
SWDIO: J1.A6 J1.B6 U1.72 VD2.K XP8.1
TB_IN1: U1.15 XP2.2
TB_IN2: U1.16 XP2.3
TB_IN3: U1.17 XP2.4
TB_IN4: U1.18 XP2.5
TB_OUT1: U1.29 XP2.6
TB_OUT2: U1.30 XP2.7
Vbat: C3.1 C45.2 C52.2 R36.1 R37.1 R51.2 R54.2 R60.2 R66.2 U10.3 VT5.S XP20.2 | length 130.9
  Top Layer w0.3: v1(216.086,166.641) 215.075,167.652 R51.2 216.619,169.341 216.619,172.556 225.832,181.768 XP20.2 ; R66.2 225.88,114.18 227.6,115.9 227.6,121.086 v1(229.383,122.869)
  Top Layer w3: XP20.2 229.483,181.883 233.343,181.883 234.4,182.94 234.4,187.032 C3.1 235.1,191.6 237.756,194.256 v2(237.773,194.256)
  Bottom Layer w0.3: v1(216.086,166.641) 216.086,134.464 221.245,129.305 221.245,127.218 223.069,125.394 ; R54.2 221.462,124.437 C52.2 ; U10.3 222.771,122.571 223.069,122.869 C52.2 ; R60.2 230.318,121.25 230.318,121.946 229.395,122.869 v1(229.383,122.869) 226.49,125.762 223.437,125.762 223.069,125.394 ; VT5.S 243.4,196.563 243.4,194.384 C45.2 243.611,191.944 R37.1 243.605,190.704 245.33,188.979 R36.1 ; C52.2 223.069,125.394
  Bottom Layer w3: v2(237.773,194.256) 240.486,196.969 VT5.S
  other v2: 238.482,193.558 237.039,194.933
VBAT_ADC: R51.1 R52.2 | length 2.1
  Top Layer w0.3: R52.2 212.21,164.931 R51.1
YG_LED: HL5.2 U1.42
pads on no net: BT1.33@270.586,222.962 BT1.34@269.809,223.74 C16. G1.0 J1. VT2. VT3. VT5.

## Silkscreen, mask and mechanical layers (free items; w line width, h text height)
Bottom Overlay:
  drawing of 36 lines, arcs and shapes, not listed